# KiCad board anavi-macro-pad-12.kicad_pcb
title: ANAVI Macro Pad 12; date: 2023-01-29; rev: 1.0; company: ANAVI Technology Ltd.
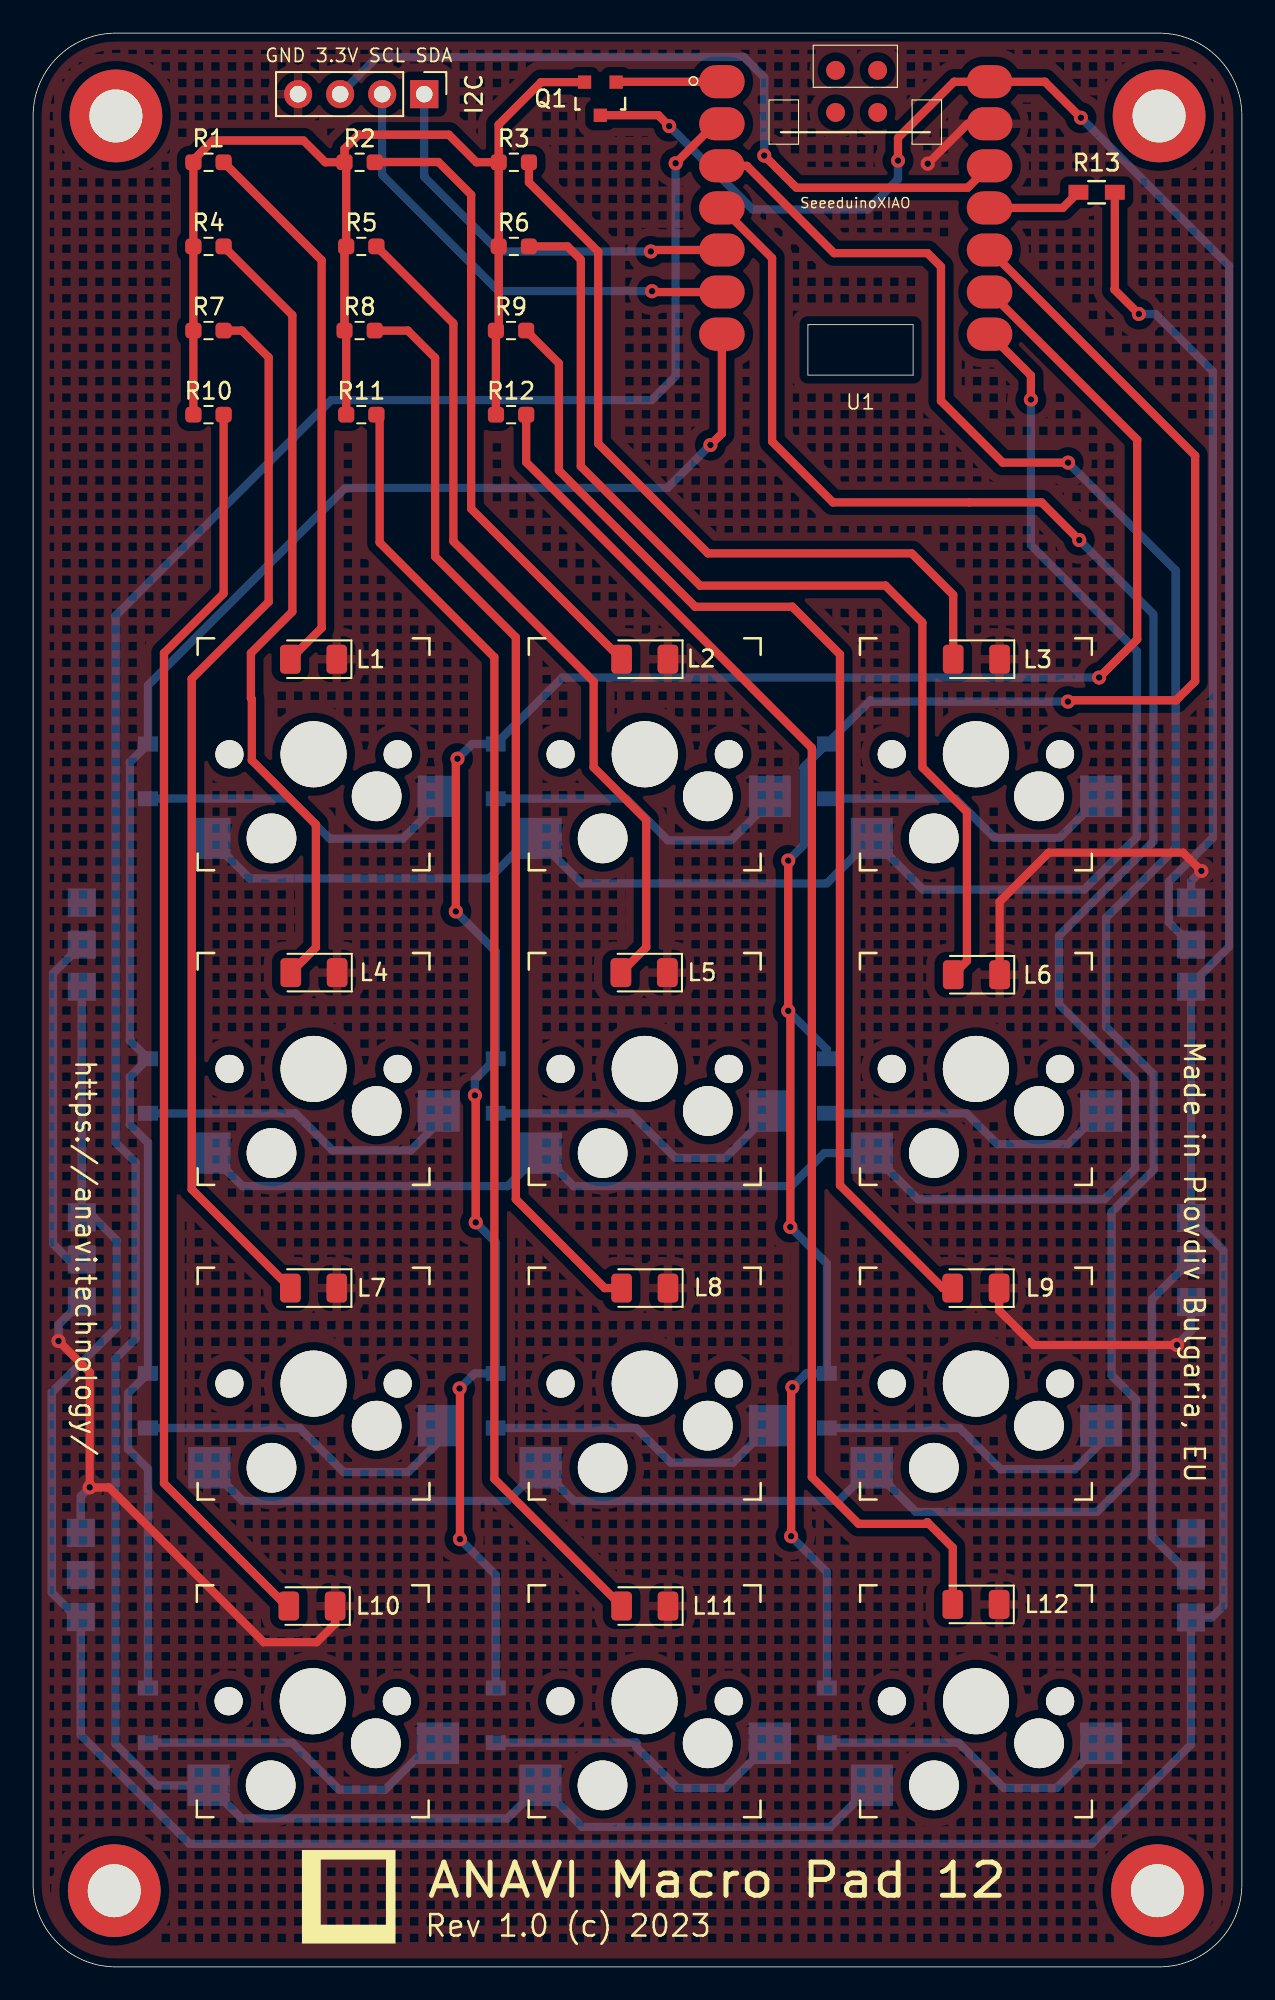
[diagram p0: board, top side]
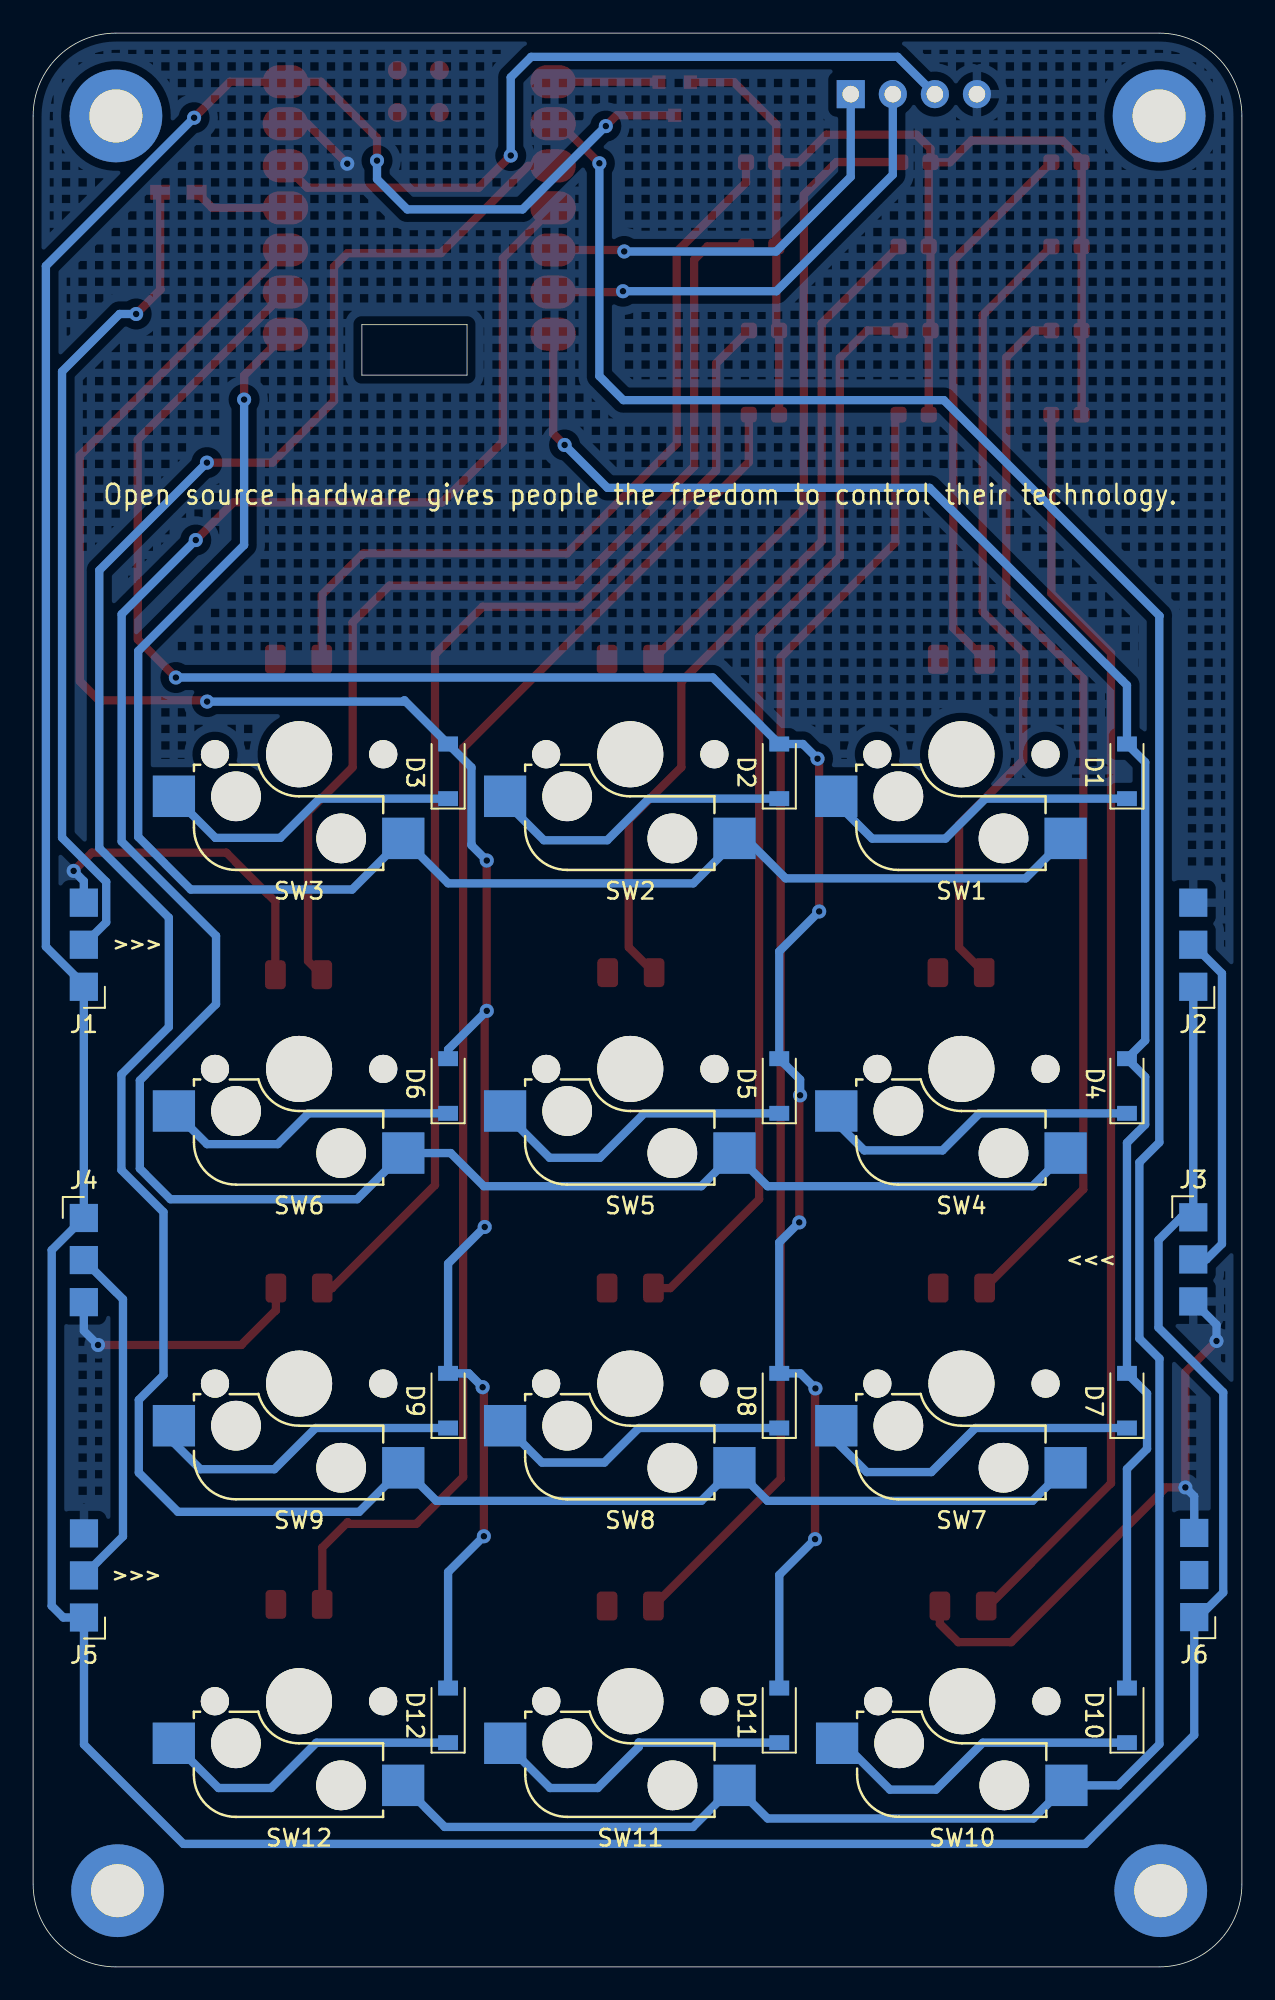
[diagram p1: board, bottom side, seen from below]

Outline 73 x 116.76 mm; copper layers: Top, Bottom. Coordinates in mm from the lower left corner of the outline.
Outline path: 0,111.76 arc(1.46,115.29) 5,116.76 68,116.76 arc(71.54,115.29) 73,111.76 73,5 arc(71.54,1.46) 68,0 5,0 arc(1.46,1.46) 0,5 0,111.76 ; 46.8,99.16 46.8,96.11 53.15,96.11 53.15,99.16 46.8,99.16
Stack: Top 0.035mm / dielectric 1.51mm FR4 er 4.5 / Bottom 0.035mm

## Placement (name value [footprint] x y rotation side)
D1  1N4148  [D_SOD-123]  6.94 72.19 90 bottom
D2  1N4148  [D_SOD-123]  27.94 72.19 90 bottom
D3  1N4148  [D_SOD-123]  47.94 72.19 90 bottom
D4  1N4148  [D_SOD-123]  6.94 53.19 90 bottom
D5  1N4148  [D_SOD-123]  27.94 53.19 90 bottom
D6  1N4148  [D_SOD-123]  47.94 53.19 90 bottom
D7  1N4148  [D_SOD-123]  6.94 34.19 90 bottom
D8  1N4148  [D_SOD-123]  27.94 34.19 90 bottom
D9  1N4148  [D_SOD-123]  47.94 34.19 90 bottom
D10  1N4148  [D_SOD-123]  6.94 15.19 90 bottom
D11  1N4148  [D_SOD-123]  27.94 15.19 90 bottom
D12  1N4148  [D_SOD-123]  47.94 15.19 90 bottom
G***  LOGO  [anavi-logo]  19.06 4.23 0 top
I2C  Conn_01x04_Female  [PinHeader_1x04_P2.54mm_Vertical]  23.62 113.07 270 top
J1  Conn_01x03_Male  [LedConnector_1x03_P2.54mm]  69.94 59.18 0 bottom
J2  Conn_01x03_Male  [LedConnector_1x03_P2.54mm]  2.94 59.18 0 bottom
J3  Conn_01x03_Male  [LedConnector_1x03_P2.54mm]  2.94 45.26 180 bottom
J4  Conn_01x03_Male  [LedConnector_1x03_P2.54mm]  69.94 45.22 180 bottom
J5  Conn_01x03_Male  [LedConnector_1x03_P2.54mm]  69.93 21.09 0 bottom
J6  Conn_01x03_Male  [LedConnector_1x03_P2.54mm]  2.88 21.12 0 bottom
L1  LED  [LED_1206_3216Metric]  16.94 78.96 180 top
L2  LED  [LED_1206_3216Metric]  36.94 78.96 180 top
L3  LED  [LED_1206_3216Metric]  56.97 78.96 180 top
L4  LED  [LED_1206_3216Metric]  16.96 60.03 180 top
L5  LED  [LED_1206_3216Metric]  36.9 60.03 180 top
L6  LED  [LED_1206_3216Metric]  56.97 59.91 180 top
L7  LED  [LED_1206_3216Metric]  16.94 40.99 180 top
L8  LED  [LED_1206_3216Metric]  36.94 40.99 180 top
L9  LED  [LED_1206_3216Metric]  56.94 40.98 180 top
L10  LED  [LED_1206_3216Metric]  16.84 21.79 180 top
L11  LED  [LED_1206_3216Metric]  36.94 21.79 180 top
L12  LED  [LED_1206_3216Metric]  56.94 21.89 180 top
Q1  Q_NPN_BEC  [SOT-23]  34.25 112.8 180 top
R1  68R  [R_0603_1608Metric_Pad0.98x0.95mm_HandSolder]  10.59 108.96 0 top
R2  68R  [R_0603_1608Metric_Pad0.98x0.95mm_HandSolder]  19.72 108.96 0 top
R3  68R  [R_0603_1608Metric_Pad0.98x0.95mm_HandSolder]  29.03 108.96 0 top
R4  68R  [R_0603_1608Metric_Pad0.98x0.95mm_HandSolder]  10.59 103.88 0 top
R5  68R  [R_0603_1608Metric_Pad0.98x0.95mm_HandSolder]  19.82 103.88 0 top
R6  68R  [R_0603_1608Metric_Pad0.98x0.95mm_HandSolder]  29.03 103.88 0 top
R7  68R  [R_0603_1608Metric_Pad0.98x0.95mm_HandSolder]  10.59 98.8 0 top
R8  68R  [R_0603_1608Metric_Pad0.98x0.95mm_HandSolder]  19.72 98.8 0 top
R9  68R  [R_0603_1608Metric_Pad0.98x0.95mm_HandSolder]  28.86 98.8 0 top
R10  68R  [R_0603_1608Metric_Pad0.98x0.95mm_HandSolder]  10.59 93.72 0 top
R11  68R  [R_0603_1608Metric_Pad0.98x0.95mm_HandSolder]  19.82 93.72 0 top
R12  68R  [R_0603_1608Metric_Pad0.98x0.95mm_HandSolder]  28.87 93.72 0 top
R13  470R  [R_0603_HandSoldering]  64.23 107.15 180 top
REF**  -  [MountingHole_3.2mm_M3_DIN965_Pad]  5 111.76 0 top
REF**#2  MountingHole_3.2mm_M3_DIN965_Pad  [MountingHole_3.2mm_M3_DIN965_Pad#2]  67.9 4.6 0 top
REF**#3  MountingHole_3.2mm_M3_DIN965_Pad  [MountingHole_3.2mm_M3_DIN965_Pad#3]  68 111.76 0 top
REF**#4  MountingHole_3.2mm_M3_DIN965_Pad  [MountingHole_3.2mm_M3_DIN965_Pad#4]  4.9 4.6 0 top
SW1  SW_DIP_x01  [Kailh_socket_MX]  16.94 73.22 180 top
SW2  SW_DIP_x01  [Kailh_socket_MX]  36.94 73.22 180 top
SW3  SW_DIP_x01  [Kailh_socket_MX]  56.94 73.22 180 top
SW4  SW_DIP_x01  [Kailh_socket_MX]  16.94 54.22 180 top
SW5  SW_DIP_x01  [Kailh_socket_MX]  36.94 54.22 180 top
SW6  SW_DIP_x01  [Kailh_socket_MX]  56.94 54.22 180 top
SW7  SW_DIP_x01  [Kailh_socket_MX]  16.94 35.22 180 top
SW8  SW_DIP_x01  [Kailh_socket_MX]  36.94 35.22 180 top
SW9  SW_DIP_x01  [Kailh_socket_MX]  56.94 35.22 180 top
SW10  SW_DIP_x01  [Kailh_socket_MX]  16.89 16.04 180 top
SW11  SW_DIP_x01  [Kailh_socket_MX]  36.93 16.04 180 top
SW12  SW_DIP_x01  [Kailh_socket_MX]  56.94 16.04 180 top
U1  SeeeduinoXIAO  [Seeeduino XIAO-MOUDLE14P-2.54-21X17.8MM]  40.76 95.71 0 top

## Footprints (pads in the part's own frame, mm; a bottom-side part is the same pattern mirrored in y, then rotated)
D_SOD-123
  rect 0.9x1.2 smd: 1(-1.65,0) 2(1.65,0)
Kailh_socket_MX
  round 1.702 hole 1.702 unplated: (-5.08,0) (5.08,0)
  round 3 hole 3 unplated: (-3.81,2.54) (2.54,5.08)
  round 3.988 hole 3.988 unplated: (0,0)
  rect 2.55x2.5 smd far side: 1(6.29,5.08) 2(-7.56,2.54)
LED_1206_3216Metric
  rrect 1.25x1.75 smd: 1(-1.4,0) 2(1.4,0)
LedConnector_1x03_P2.54mm
  rect 1.7x1.7 smd: 1(0,0) 2(0,-2.54) 3(0,-5.08)
MountingHole_3.2mm_M3_DIN965_Pad
  round 5.6 hole 3.2: 1(0,0)
MountingHole_3.2mm_M3_DIN965_Pad#2
  round 5.6 hole 3.2: 3(0,0)
MountingHole_3.2mm_M3_DIN965_Pad#3
  round 5.6 hole 3.2: 2(0,0)
MountingHole_3.2mm_M3_DIN965_Pad#4
  round 5.6 hole 3.2: 4(0,0)
PinHeader_1x04_P2.54mm_Vertical
  rect 1.7x1.7 hole 1: 1(0,0)
  oval 1.7x1.7 hole 1: 2(0,-2.54) 3(0,-5.08) 4(0,-7.62)
R_0603_1608Metric_Pad0.98x0.95mm_HandSolder
  rrect 0.975x0.95 smd: 1(-0.912,0) 2(0.912,0)
R_0603_HandSoldering
  rect 1.2x0.9 smd: 1(-1.1,0) 2(1.1,0)
Seeeduino XIAO-MOUDLE14P-2.54-21X17.8MM
  oval 2.748x1.999 smd: 1(0.833,18.118) 2(0.833,15.578) 3(0.833,13.038) 4(0.833,10.498) 5(0.833,7.958) 6(0.833,5.418) 7(0.833,2.878) 8(16.998,2.878) 9(16.998,5.418) 10(16.998,7.958) 11(16.998,10.498) 12(16.998,13.038) 13(16.998,15.578) 14(16.998,18.118)
  round 1.143 smd: 17(7.699,18.804) 18(10.239,18.804) 19(7.699,16.264) 20(10.239,16.264)
SOT-23
  rect 0.8x0.8 smd: 1(-0.95,-1.001) 2(0.95,-1.001) 3(0,0.998)

## Nets
+3V3: I2C.3 U1.12
+5V: J1.1 J2.1 J3.1 J4.1 J5.1 J6.1 Q1.3 U1.14
GND: I2C.4 J1.3 J2.3 J3.3 J4.3 J5.3 J6.3 L1.1 L2.1 L3.1 L4.1 L5.1 L6.1 L7.1 L8.1 L9.1 L10.1 L11.1 L12.1 U1.13
Net-(D1-Pad1): D1.1 SW1.2
Net-(D1-Pad2): D1.2 D4.2 D7.2 D10.2 U1.7
Net-(D2-Pad1): D2.1 SW2.2
Net-(D3-Pad1): D3.1 SW3.2
Net-(D4-Pad1): D4.1 SW4.2
Net-(D5-Pad1): D5.1 SW5.2
Net-(D6-Pad1): D6.1 SW6.2
Net-(D7-Pad1): D7.1 SW7.2
Net-(D8-Pad1): D8.1 SW8.2
Net-(D9-Pad1): D9.1 SW9.2
Net-(D10-Pad1): D10.1 SW10.2
Net-(D11-Pad1): D11.1 SW11.2
Net-(D11-Pad2): D2.2 D5.2 D8.2 D11.2 U1.9
Net-(D12-Pad1): D12.1 SW12.2
Net-(D12-Pad2): D3.2 D6.2 D9.2 D12.2 U1.10
Net-(I2C1-Pad1): I2C.1 U1.5
Net-(I2C1-Pad2): I2C.2 U1.6
Net-(J1-Pad2): J1.2 R13.1
Net-(J2-Pad2): J2.2 J3.2
Net-(J4-Pad2): J4.2 J5.2
Net-(L1-Pad2): L1.2 R1.2
Net-(L2-Pad2): L2.2 R2.2
Net-(L3-Pad2): L3.2 R3.2
Net-(L4-Pad2): L4.2 R4.2
Net-(L5-Pad2): L5.2 R5.2
Net-(L6-Pad2): L6.2 R6.2
Net-(L7-Pad2): L7.2 R7.2
Net-(L8-Pad2): L8.2 R8.2
Net-(L9-Pad2): L9.2 R9.2
Net-(L10-Pad2): L10.2 R10.2
Net-(L11-Pad2): L11.2 R11.2
Net-(L12-Pad2): L12.2 R12.2
Net-(Q1-Pad1): Q1.1 U1.1
Net-(Q1-Pad2): Q1.2 R1.1 R2.1 R3.1 R4.1 R5.1 R6.1 R7.1 R8.1 R9.1 R10.1 R11.1 R12.1
Net-(R13-Pad2): R13.2 U1.11
Net-(SW1-Pad1): SW1.1 SW2.1 SW3.1 U1.8
Net-(SW4-Pad1): SW4.1 SW5.1 SW6.1 U1.4
Net-(SW7-Pad1): SW7.1 SW8.1 SW9.1 U1.3
Net-(SW10-Pad1): SW10.1 SW11.1 SW12.1 U1.2

Pads without a net: J6 2; REF** 1; REF**#2 3; REF**#3 2; REF**#4 4; U1 17 18 19 20

## Via types
v1: diameter 0.85, hole 0.4, Top to Bottom, 30 vias

## Routing (per net, layer and track width the routed paths; a pad name or vN(x,y) marks a point on that pad's centre or on a via; arc(x,y) is an arc through that point)
+3V3: length 46.7
  Top w0.5: U1.12 56.44,107.42 46.1,107.42 v1(44.15,109.37)
  Bottom w0.5: v1(44.15,109.37) 44.15,114.09 42.92,115.33 20.79,115.33 I2C.3
+5V: length 263.4
  Top w0.5: v1(38.41,111.14) 37.76,111.8 Q1.3 ; v1(63.28,111.65) 61.1,113.82 U1.14 55.62,113.82 52.23,110.43 v1(52.23,109.06)
  Bottom w0.5: v1(38.41,111.14) 43.44,106.12 50.4,106.12 52.23,107.94 v1(52.23,109.06) ; v1(63.28,111.65) 72.23,102.7 72.23,61.6 69.94,59.31 J1.1 J4.1 71.88,43.28 71.88,21.8 71.17,21.09 J5.1 69.93,13.43 63.93,7.43 9.45,7.43 2.88,14 J6.1 2.61,21.12 1.13,22.6 1.13,34.69 5.04,38.6 5.04,43.89 3.67,45.26 J3.1 J2.1
GND: length 76.9
  Top w0.5: v1(69.08,37.55) 60.43,37.55 58.34,39.64 L9.1 ; v1(1.53,37.79) 3.41,35.91 v1(3.41,28.95) 4.58,28.95 13.93,19.6 17.13,19.6 18.24,20.71 L10.1 ; U1.13 56.44,111.28 v1(54.03,108.88) ; v1(70.55,66.17) 69.45,67.28 61.33,67.28 58.37,64.32 L6.1
  Bottom w0.5: J1.3 69.94,65.56 v1(70.55,66.17) ; J4.3 69.94,38.41 v1(69.08,37.55) ; J3.3 1.53,38.77 v1(1.53,37.79) ; v1(3.41,28.95) 2.88,28.42 J6.3
Net-(D1-Pad1): length 19.8
  Bottom w0.5: D1.1 15.49,70.54 17.9,68.12 22.33,68.12 24.5,70.29 SW1.2
Net-(D1-Pad2): length 110.3
  Top w0.5: v1(40.9,91.89) 41.6,92.58 U1.7
  Bottom w0.5: v1(40.9,91.89) 38.31,89.3 18.86,89.3 6.94,77.38 D1.2 5.84,72.74 5.84,55.94 D4.2 5.84,53.74 5.84,50.86 6.94,49.76 D7.2 5.73,34.62 5.73,31.28 6.94,30.06 D10.2
Net-(D2-Pad1): length 18.9
  Bottom w0.5: D2.1 35.82,70.54 38.33,68.03 42.15,68.03 44.5,70.37 SW2.2
Net-(D3-Pad1): length 18.6
  Bottom w0.5: SW3.2 61.99,68.17 58.07,68.17 55.71,70.54 D3.1
Net-(D4-Pad1): length 19.9
  Bottom w0.5: D4.1 15.84,51.54 18.08,49.3 22.8,49.3 24.5,50.99 SW4.2
Net-(D5-Pad1): length 18.9
  Bottom w0.5: SW5.2 44.5,51.54 41.8,48.85 38.78,48.85 36.09,51.54 D5.1
Net-(D6-Pad1): length 18.2
  Bottom w0.5: D6.1 56.37,51.54 58.23,49.68 62.5,49.68 SW6.2
Net-(D7-Pad1): length 20.4
  Bottom w0.5: D7.1 16.09,32.54 18.75,29.88 22.65,29.88 24.5,31.72 SW7.2
Net-(D8-Pad1): length 18.3
  Bottom w0.5: SW8.2 42.27,30.45 38.5,30.45 36.42,32.54 D8.1
Net-(D9-Pad1): length 19.3
  Bottom w0.5: SW9.2 64.5,31.64 62.9,30.05 58.43,30.05 55.94,32.54 D9.1
Net-(D10-Pad1): length 19.8
  Bottom w0.5: SW10.2 24.05,13.5 21.25,10.7 18.48,10.7 15.64,13.54 D10.1
Net-(D11-Pad1): length 19
  Bottom w0.5: SW11.2 44.48,13.5 41.78,10.8 38.9,10.8 36.43,13.28 36.43,13.55 36.42,13.54 D11.1
Net-(D11-Pad2): length 129.5
  Top w0.5: v1(26.68,52.62) 26.73,52.57 v1(26.73,44.95) ; v1(25.63,72.95) 25.53,72.85 v1(25.53,63.72) ; U1.9 66.68,92.21 66.68,80.15 v1(64.38,77.85) ; v1(25.75,34.92) 25.78,34.9 v1(25.78,25.83)
  Bottom w0.5: v1(26.68,52.62) 26.68,53.58 D5.2 27.94,61.31 v1(25.53,63.72) ; v1(25.63,72.95) 26.51,73.84 D2.2 31.95,77.85 v1(64.38,77.85) ; v1(25.78,25.83) 27.94,23.66 D11.2 ; v1(25.75,34.92) 26.66,35.84 D8.2 27.94,43.74 v1(26.73,44.95)
Net-(D12-Pad1): length 18.8
  Bottom w0.5: SW12.2 61.8,10.8 58.63,10.8 55.89,13.54 D12.1
Net-(D12-Pad2): length 120.4
  Top w0.5: v1(62.49,76.4) 62.57,76.47 69.03,76.47 70.18,77.62 70.18,91.25 U1.10 ; v1(45.6,66.8) v1(45.6,57.72) 45.73,57.6 v1(45.73,44.67) ; v1(45.78,26) 45.78,34.92 v1(45.85,35)
  Bottom w0.5: v1(45.85,35) 46.69,35.84 D9.2 47.94,42.46 v1(45.73,44.67) ; v1(62.49,76.4) 50.66,76.4 50.58,76.47 D3.2 46.53,72.42 46.53,67.72 v1(45.6,66.8) ; v1(45.78,26) 47.94,23.84 D12.2 ; D6.2 47.94,55.39 v1(45.6,57.72)
Net-(I2C1-Pad1): length 24.9
  Top w0.5: U1.5 37.39,103.66 v1(37.3,103.58)
  Bottom w0.5: I2C.1 23.62,108.08 28.13,103.58 v1(37.3,103.58)
Net-(I2C1-Pad2): length 28.3
  Top w0.5: U1.6 37.43,101.12 v1(37.38,101.17)
  Bottom w0.5: v1(37.38,101.17) 28.11,101.17 21.08,108.21 I2C.2
Net-(J1-Pad2): length 50.2
  Top w0.5: R13.1 65.33,101.3 65.3,101.28 v1(66.78,99.8)
  Bottom w0.5: J1.2 68.59,63.07 68.59,65.52 71.25,68.18 71.25,96.33 67.78,99.8 v1(66.78,99.8)
Net-(J2-Pad2): length 20.9
  Bottom w0.5: J3.2 2.14,42.72 1.2,43.65 1.2,59.98 J2.2
Net-(J4-Pad2): length 21
  Bottom w0.5: J5.2 67.57,25.99 67.57,40.31 J4.2
Net-(L1-Pad2): length 33.2
  Top w0.5: L1.2 17.43,80.85 17.43,103.04 R1.2
Net-(L2-Pad2): length 38.5
  Top w0.5: L2.2 26.45,88.04 26.45,107 24.48,108.97 20.65,108.97 R2.2
Net-(L3-Pad2): length 47.8
  Top w0.5: L3.2 55.57,82.83 53.05,85.35 40.75,85.35 34.13,91.97 34.13,103.56 29.94,107.74 R3.2
Net-(L4-Pad2): length 48.9
  Top w0.5: L4.2 17.08,61.55 17.08,68.97 13.21,72.85 13.21,76.55 13.15,76.6 13.15,79.33 15.65,81.83 15.65,99.73 R4.2
Net-(L5-Pad2): length 51.2
  Top w0.5: R5.2 25.38,99.24 25.38,86.08 33.85,77.6 33.85,72.42 37.03,69.25 37.03,61.56 L5.2
Net-(L6-Pad2): length 63.2
  Top w0.5: L6.2 56.4,60.73 56.4,69.73 53.7,72.42 53.7,81.17 51.48,83.4 40.28,83.4 33.08,90.6 33.08,103.08 32.27,103.88 R6.2
Net-(L7-Pad2): length 64
  Top w0.5: R7.2 12.6,98.8 14.23,97.17 14.23,82.42 9.58,77.78 9.58,46.94 L7.2
Net-(L8-Pad2): length 65.8
  Top w0.5: R8.2 22.63,98.8 24.28,97.15 24.28,85.15 29.15,80.28 29.15,46.35 34.52,40.99 L8.2
Net-(L9-Pad2): length 72.3
  Top w0.5: L9.2 54.95,40.98 48.73,47.2 48.73,79.25 45.85,82.12 39.98,82.12 31.75,90.35 31.75,96.82 R9.2
Net-(L10-Pad2): length 76.6
  Top w0.5: R10.2 11.51,82.93 7.9,79.33 7.9,29.2 15.32,21.79 L10.2
Net-(L11-Pad2): length 78.1
  Top w0.5: L11.2 27.85,29.47 27.85,79.08 20.93,86 20.93,93.53 R11.2
Net-(L12-Pad2): length 85.1
  Top w0.5: L12.2 55.54,25.31 54,26.85 53.9,26.75 49.85,26.75 47.03,29.58 47.03,73.6 29.78,90.85 29.78,93.72
Net-(Q1-Pad1): length 6.4
  Top w0.5: U1.1 35.23,113.82 Q1.1
Net-(Q1-Pad2): length 75.9
  Top w0.5: R3.1 26.77,108.96 25.1,110.62 19.65,110.62 18.81,109.78 R2.1 ; R3.1 28.12,111.24 30.68,113.8 Q1.2 ; R3.1 R6.1 28.12,98.97 R9.1 27.95,93.72 R12.1 ; R11.1 18.91,98.7 R8.1 18.81,103.78 R5.1 18.91,108.86 R2.1 ; R2.1 17.64,108.96 16.33,110.28 10.85,110.28 9.68,109.1 R1.1 R4.1 R7.1 R10.1
Net-(R13-Pad2): length 5.8
  Top w0.5: U1.11 62.18,106.2 R13.2
Net-(SW1-Pad1): length 97
  Top w0.5: v1(60.26,94.63) 60.26,96.09 U1.8
  Bottom w0.5: v1(60.26,94.63) 60.26,85.85 66.65,79.45 66.65,68.22 63.48,65.05 53.73,65.05 SW3.1 47.93,65.42 33.13,65.42 30.65,67.91 SW2.1 29.97,68.14 27.55,65.72 13.06,65.72 SW1.1
Net-(SW4-Pad1): length 141.6
  Top w0.5: v1(63.18,86.15) 60.9,88.42 48.3,88.42 44.63,92.1 44.63,103.17 U1.4
  Bottom w0.5: v1(63.18,86.15) 67.65,81.67 67.65,67.95 61.95,62.25 61.95,58.12 66.55,53.52 66.55,48.2 64.7,46.35 53.43,46.35 SW6.1 47.78,49.14 45.78,47.14 32.65,47.14 SW5.1 28.65,47.14 12.65,47.14 SW4.1
Net-(SW7-Pad1): length 162.7
  Top w0.5: U1.3 43.1,108.74 48.37,103.47 54.01,103.47 54.83,102.66 54.83,94.55 58.55,90.83 v1(62.5,90.83)
  Bottom w0.5: SW7.1 12.65,28.14 28.65,28.14 SW8.1 32.65,28.14 48.65,28.14 SW9.1 53.31,27.47 64.25,27.47 66.62,29.84 66.62,34.24 65.13,35.72 65.13,45.58 67.67,48.11 67.67,53.89 64.8,56.75 64.8,63.35 69,67.55 69,84.33 v1(62.5,90.83)
Net-(SW10-Pad1): length 176
  Top w0.5: U1.2 41.19,111.28 v1(38.8,108.9)
  Bottom w0.5: SW12.1 48.14,8.45 33.15,8.45 SW11.1 28.64,8.96 12.6,8.96 SW10.1 7.47,10.96 4.98,13.45 4.98,36.73 6.19,37.94 6.19,48.58 4.99,49.78 4.99,81.57 4.98,81.58 18,94.6 37.35,94.6 38.8,96.05 v1(38.8,108.9)

## Copper pours and planes (outline as drawn; the poured copper is in the pictures)
GND on Top: 90,-42.17 -25.14,-42.17 -25,124.76 90,124.76
GND on Bottom: 90,-42.17 -25.14,-42.17 -25,124.76 90,124.76

## Text on the board
B.Silkscreen: <<< | Open source hardware gives people the freedom to control their technology.
F.Courtyard: fafs
F.Fab: KP-3216YC | BC817
F.Silkscreen: GND 3.3V SCL SDA | https://anavi.technology/ | Made in Plovdiv Bulgaria, EU | Rev 1.0 (c) 2023 | ANAVI Macro Pad 12
